# Altium PCB ADS1256.PcbDoc (part 1 of 2)
Units mil, origin at the board's own origin, x right, y up, seen from the top; angles counter-clockwise.
Board outline 3405 x 2767.84 mil, 2 copper layers (Top Layer, Bottom Layer); 175 components, 91 nets, 502 pads, 2562 vias.
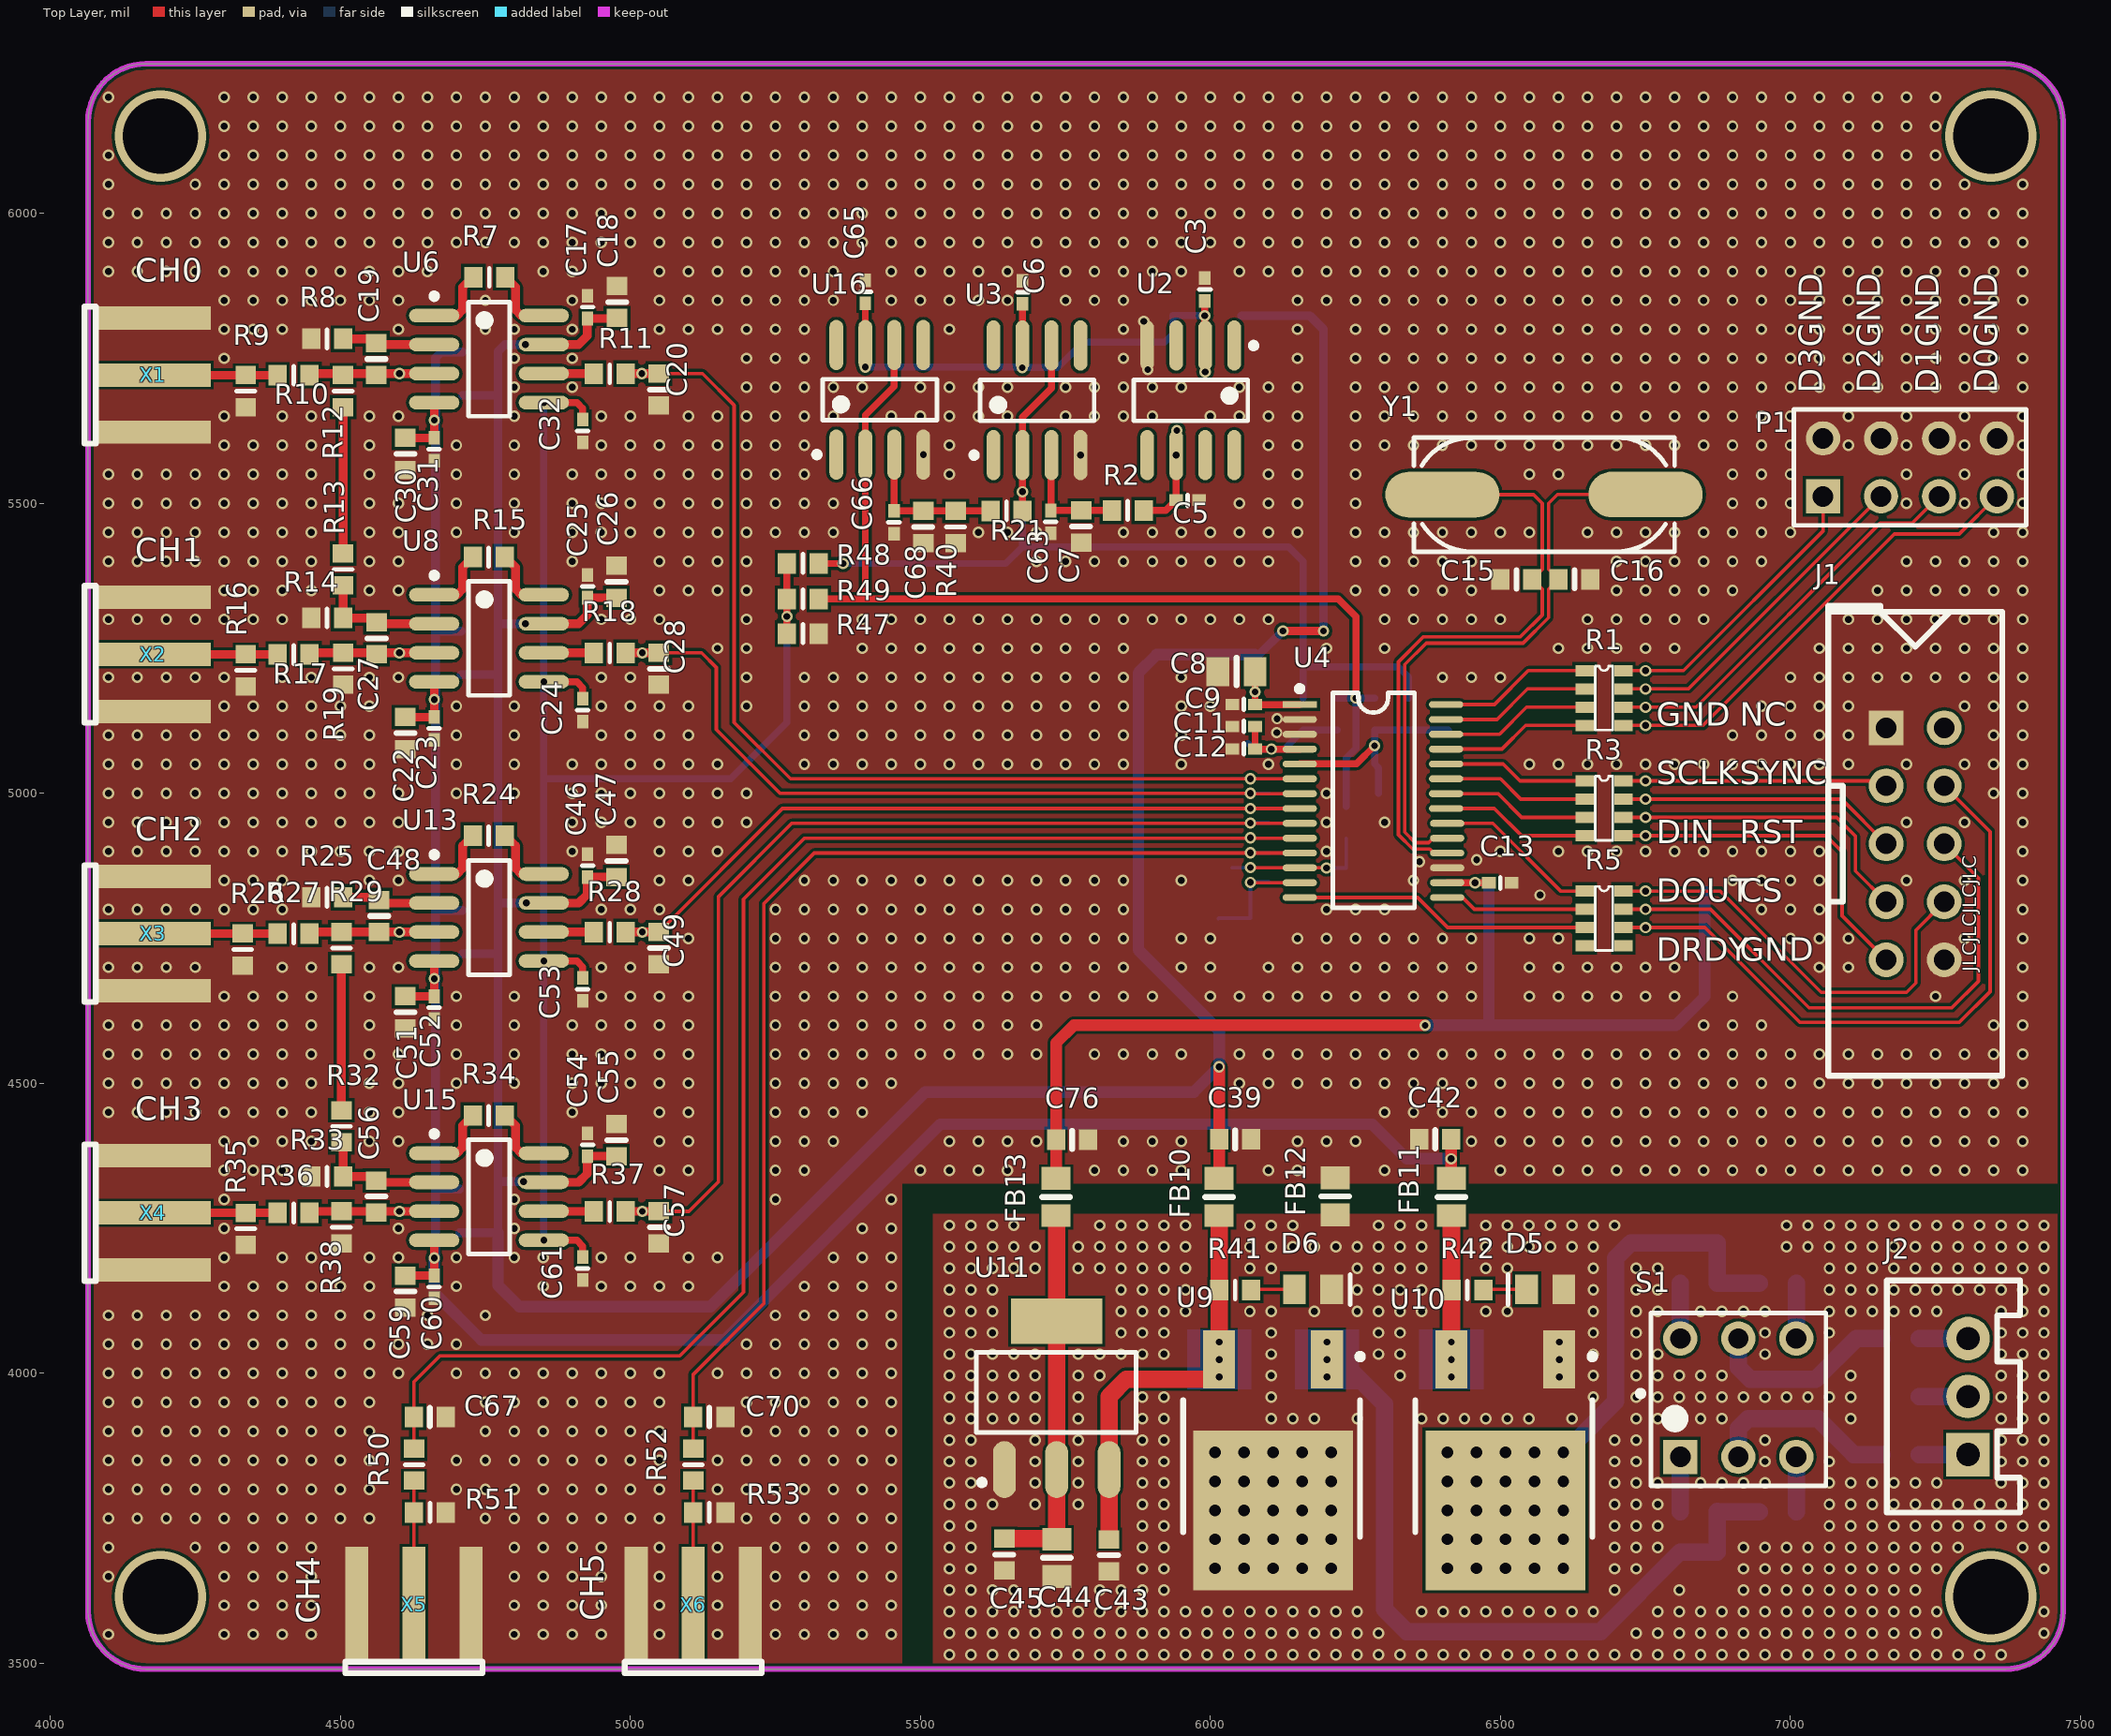
[diagram p0: Top Layer view]
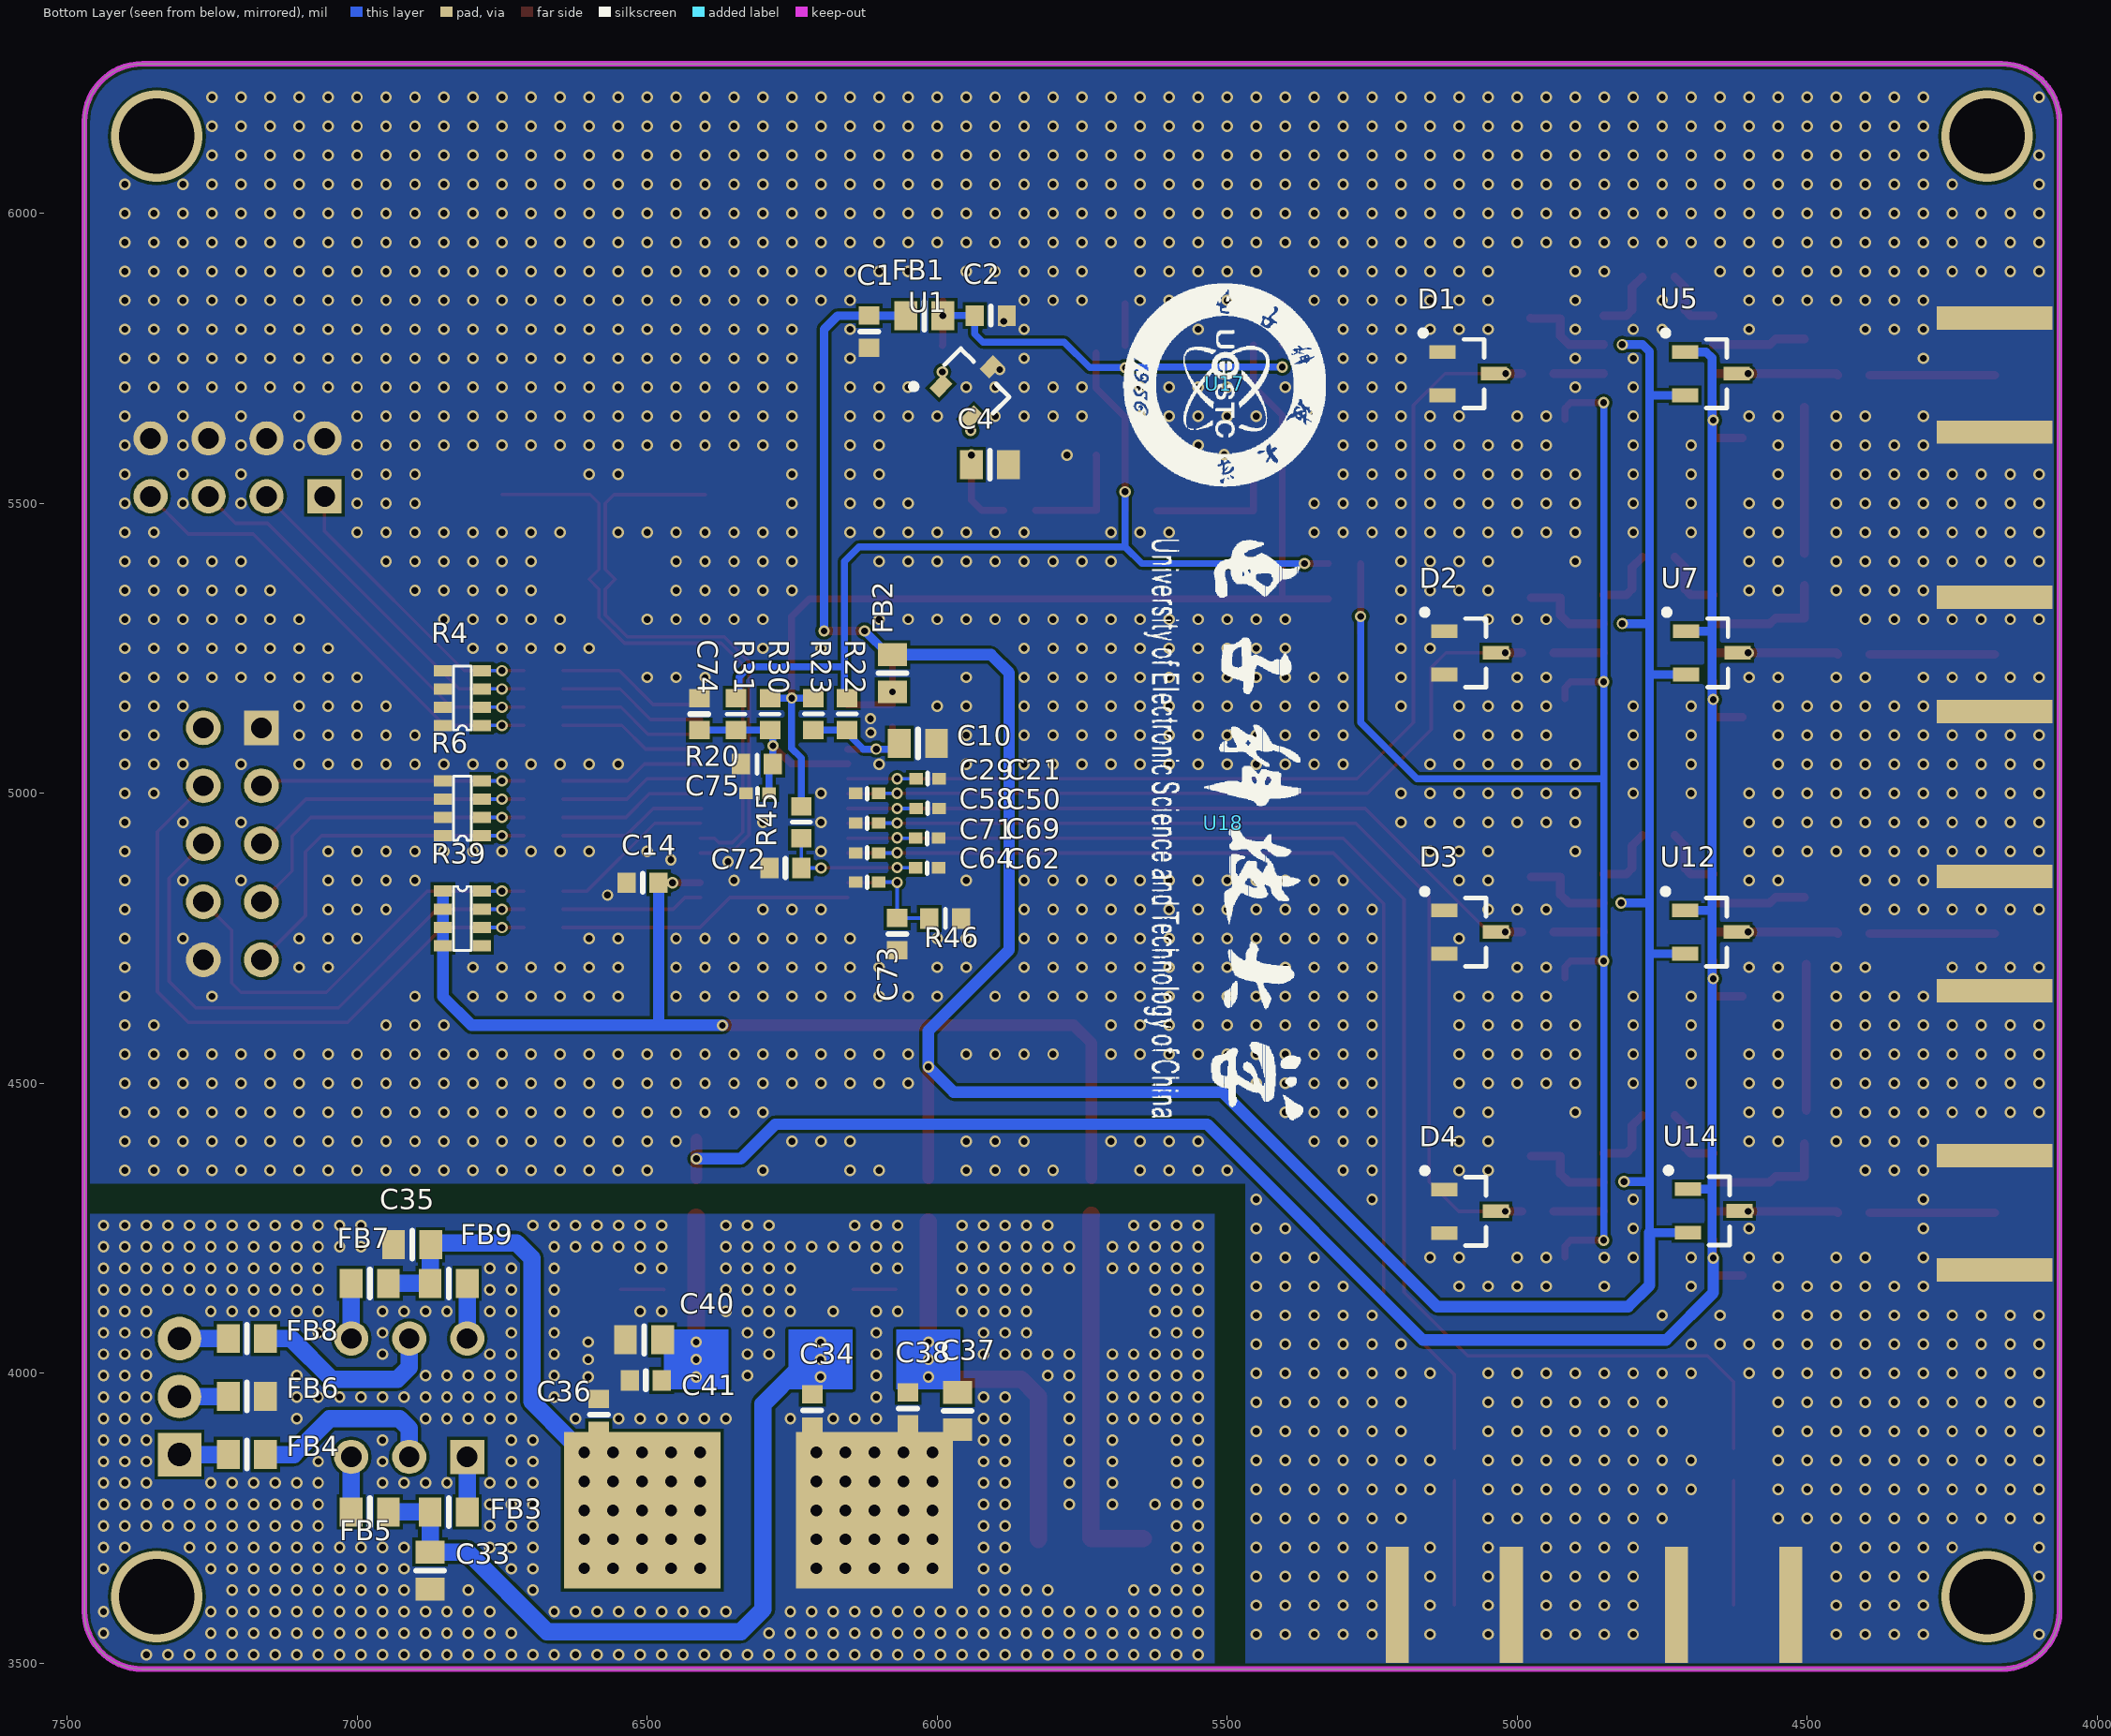
[diagram p1: Bottom Layer view, seen from below]

## Layer stack, top to bottom
Top Solder: solder mask 0.4, Solder Resist, Dk 3.5
Top Layer: signal copper 1.4
Dielectric 1: dielectric 12.6, FR-4, Dk 4.8
Bottom Layer: signal copper 1.4
Bottom Solder: solder mask 0.4, Solder Resist, Dk 3.5

## Board outline
4065,3590 ccw(c4165,3590) 4165,3490 7370,3490 ccw(c7370,3590) 7470,3590 7470,6157.84 ccw(c7370,6157.84) 7370,6257.84 4165,6257.84 ccw(c4165,6157.84) 4065,6157.84

## Design rules (kind name [scope] priority, off if disabled: settings)
Clearance [All] p1: gap=5 ignorepadtopadclearanceinfootprint=TRUE
ComponentClearance [All] p1: gap=0 collisioncheckmode=3 verticalgap=0 showdistances=FALSE
HoleSize [All] p1: absolutevalues=TRUE maxlimit=129.92 minlimit=3.94 maxpercent=80.000 minpercent=20.000
MinimumSolderMaskSliver [All] p1: minsoldermaskwidth=0
PolygonConnect [All] p1: connectstyle=Direct reliefconductorwidth=10 reliefentries=4 polygonreliefangle="90 Angle" airgapwidth=10
RoutingVias [All] p1: holewidth=11.81 width=19.68 viastyle="Through Hole" minholewidth=11.81 minwidth=19.68 maxholewidth=129.92 maxwidth=157.48
SilkToSilkClearance [All] p1: silktosilkclearance=0
SilkToSolderMaskClearance [IsPad] p1: minsilkscreentomaskgap=0 clearancetoexposedcopper=TRUE
SolderMaskExpansion [All] p1: expansion=4
Width [All] p1: maxlimit=100 minlimit=5 preferedwidth=5 minimp=50.000000 maximp=50.000000 favimp=50.000000
25 further rules are at their usual default settings.

## Classes and differential pairs
component class POWER: C33 C34 C35 C36 C37 C38 C39 C40 C41 C42 C43 C44 C45 C76 D5 D6 FB3 FB4 FB5 FB6 FB7 FB8 FB9 FB10 FB11 FB12 FB13 J2 R41 R42 S1 U9 U10 U11
component class Analog: C17 C18 C19 C20 C21 C22 C23 C24 C25 C26 C27 C28 C29 C30 C31 C32 C46 C47 C48 C49 C50 C51 C52 C53 C54 C55 C56 C57 C58 C59 C60 C61 C62 C64 C67 C69 C70 C71 C72 C73 C74 C75 D1 D2 D3 D4 R7 R8 R9 R10 R11 R12 R13 R14 R15 R16 R17 R18 R19 R20 R22 R23 R24 R25 R26 R27 R28 R29 R30 R31 R32 R33 R34 R35 R36 R37 R38 R45 R46 R47 R48 R49 R50 R51 R52 R53 U5 U6 U7 U8 U12 U13 U14 U15 X1 X2 X3 X4 X5 X6
component class ADS1256: C1 C2 C3 C4 C5 C6 C7 C8 C9 C10 C11 C12 C13 C14 C15 C16 C63 C65 C66 C68 FB1 FB2 J1 P1 R1 R2 R3 R4 R5 R6 R21 R39 R40 U1 U2 U3 U4 U16 U17 U18 Y1

## Components (designator, comment, footprint, x,y, rotation, side; value= is the part's Value field where it differs from the comment)
C1 "Cap-S" C0603-L 6117,5796 r270 bottom value=10uF
C2 "Cap-S" C0603-L 5907.44,5823.56 r180 bottom value=10uF
C3 "Cap-S" C0402-L 5990,5868.55 r270 top value=100nF
C4 "Cap-S" C0805-L 5909,5566.56 r0 bottom value=47uF
C5 "Cap-S" C0402-L 5960.69,5505.56 r180 top value=100nF
C6 "Cap-S" C0402-L 5676,5863.81 r270 top value=100nF
C7 "Cap-S" C0603-L 5777,5460 r90 top value=1uF
C8 "Cap-S" C0805-L 6045,5210 r180 top value=47uF
C9 "Cap-S" C0402-L 6057.31,5153 r0 top value=100nF
C10 "Cap-S" C0805-L 6033,5086.07 r180 bottom value=47uF
C11 "Cap-S" C0402-L 6057.27,5115 r0 top value=100nF
C12 "Cap-S" C0402-L 6057.32,5076.23 r0 top value=1nF
C13 "Cap-S" C0402-L 6499.69,4845.91 r180 top value=100nF
C14 "Cap-S" C0603-L 6507.56,4845.76 r180 bottom value=10uF
C15 "Cap-S" C0603-L 6527.44,5369 r180 top value=15pF
C16 "Cap-S" C0603-L 6627.56,5369 r0 top value=15pF
C17 "Cap-S" C0402-L 4925.87,5838.28 r270 top value=100nF
C18 "Cap-S" C0603-L 4976.89,5847.01 r270 top value=1uF
C19 "Cap-S" C0603-L 4561.89,5748.58 r270 top value=1uF
C20 "Cap-S" C0603-L 5049.09,5696.04 r270 top value=1uF
C21 "Cap-S" C0402-L 6016.31,5025.05 r180 bottom value=4.7nF
C22 "Cap-S" C0603-L 4611.89,5103.84 r270 top value=1uF
C23 "Cap-S" C0402-L 4661.89,5111.72 r90 top value=100nF
C24 "Cap-S" C0402-L 4917.89,5143.51 r90 top value=100nF
C25 "Cap-S" C0402-L 4925.87,5356.88 r270 top value=100nF
C26 "Cap-S" C0603-L 4976.04,5364.76 r270 top value=1uF
C27 "Cap-S" C0603-L 4562.43,5267.18 r270 top value=1uF
C28 "Cap-S" C0603-L 5049.09,5214.64 r270 top value=1uF
C29 "Cap-S" C0402-L 6120.69,5000 r0 bottom value=4.7nF
C30 "Cap-S" C0603-L 4611.89,5585.24 r270 top value=1uF
C31 "Cap-S" C0402-L 4661.89,5593.12 r90 top value=100nF
C32 "Cap-S" C0402-L 4917.89,5624.91 r90 top value=100nF
C33 "Cap-S" C0805-L 6874,3660 r90 bottom value=22uF
C34 "Cap-S" C0603-L 6215,3936 r90 bottom value=100nF
C35 "Cap-S" C0805-L 6905,4221.7 r180 bottom value=22uF
C36 "Cap-S" C0603-L 6583.23,3928.63 r270 bottom value=100nF
C37 "Cap-S" C0805-L 5965,3935 r90 bottom value=22uF
C38 "Cap-S" C0603-L 6050,3939.44 r90 bottom value=100nF
C39 "Cap-S" C0603-L 6042.56,4403.45 r180 top value=1uF
C40 "Cap-S" C0805-L 6505.23,4057.63 r180 bottom value=22uF
C41 "Cap-S" C0603-L 6502.23,3987.63 r180 bottom value=100nF
C42 "Cap-S" C0603-L 6387.44,4403.45 r0 top value=1uF
C43 "Cap-S" C0603-L 5825.16,3686.33 r90 top value=1uF
C44 "Cap-S" C0805-L 5735,3681.89 r90 top value=22uF
C45 "Cap-S" C0603-L 5644.84,3687.44 r90 top value=100nF
C46 "Cap-S" C0402-L 4925.87,4875.48 r270 top value=100nF
C47 "Cap-S" C0603-L 4976.04,4883.35 r270 top value=1uF
C48 "Cap-S" C0603-L 4566.89,4788.35 r270 top value=1uF
C49 "Cap-S" C0603-L 5049.09,4733.24 r270 top value=1uF
C50 "Cap-S" C0402-L 6016.31,4973.87 r180 bottom value=4.7nF
C51 "Cap-S" C0603-L 4611.89,4622.44 r270 top value=1uF
C52 "Cap-S" C0402-L 4661.89,4630.31 r90 top value=100nF
C53 "Cap-S" C0402-L 4917.89,4662.11 r90 top value=100nF
C54 "Cap-S" C0402-L 4925.87,4394.08 r270 top value=100nF
C55 "Cap-S" C0603-L 4976.04,4401.95 r270 top value=1uF
C56 "Cap-S" C0603-L 4561.89,4304.92 r270 top value=1uF
C57 "Cap-S" C0603-L 5049.09,4251.84 r270 top value=1uF
C58 "Cap-S" C0402-L 6120.69,4948.82 r0 bottom value=4.7nF
C59 "Cap-S" C0603-L 4611.89,4141.04 r270 top value=1uF
C60 "Cap-S" C0402-L 4661.89,4148.91 r90 top value=100nF
C61 "Cap-S" C0402-L 4917.89,4180.71 r90 top value=100nF
C62 "Cap-S" C0402-L 6017.31,4871.5 r0 bottom value=100nF
C63 "Cap-S" C0402-L 5725,5467.87 r90 top value=100nF
C64 "Cap-S" C0402-L 6120.69,4847 r0 bottom value=100nF
C65 "Cap-S" C0402-L 5405,5864.81 r270 top value=100nF
C66 "Cap-S" C0402-L 5454.74,5467.11 r90 top value=100nF
C67 "Cap-S" C0603-L 4654.45,3924.99 r180 top value=1uF
C68 "Cap-S" C0603-L 5505,5459.23 r90 top value=1uF
C69 "Cap-S" C0402-L 6017.31,4922.68 r0 bottom value=100nF
C70 "Cap-S" C0603-L 5135.97,3925 r180 top value=1uF
C71 "Cap-S" C0402-L 6120.69,4897.09 r180 bottom value=100nF
C72 "Cap-S" C0603-L 6261.55,4871.35 r0 bottom value=1uF
C73 "Cap-S" C0603-L 6068.95,4757.44 r270 bottom value=1uF
C74 "Cap-S" C0603-L 6410,5136.69 r90 bottom value=1uF
C75 "Cap-S" C0402-L 6309.69,5000 r0 bottom value=100nF
C76 "Cap-S" C0603-L 5761.45,4402.82 r180 top value=1uF
D1 "BAT54C" SOT-23-2 5083.97,5723.19 r180 bottom
D2 "BAT54C" SOT-23-2 5081.17,5241.79 r180 bottom
D3 "BAT54C" SOT-23-2 5081.17,4760.39 r180 bottom
D4 "BAT54C" SOT-23-2 5080.97,4278.98 r180 bottom
D5 "LED" Led-0805_L 6577.23,4144.66 r180 top
D6 "LED" Led-0805_L 6176.84,4144.66 r0 top
FB1 "600R" FB-0805 6022,5823.56 r180 bottom
FB2 "600R" FB-0805 6077,5207 r270 bottom
FB3 "600R" FB-0805 6842,3761 r0 bottom
FB4 "600R" FB-0805 7190,3860 r180 bottom
FB5 "600R" FB-0805 6978,3761 r180 bottom
FB6 "600R" FB-0805 7190,3960 r180 bottom
FB7 "600R" FB-0805 6978,4155 r180 bottom
FB8 "600R" FB-0805 7190,4060 r180 bottom
FB9 "600R" FB-0805 6842,4155 r0 bottom
FB10 "600R" FB-0805 6015,4304 r90 top
FB11 "600R" FB-0805 6415.39,4304 r90 top
FB12 "600R" FB-0805 6215,4305.19 r90 top
FB13 "600R" FB-0805 5733.89,4304 r90 top
J1 "DC-10P" DC-10P 7165,4913 r90 top
J2 "Power-3P" SIPA03 7306,3860 r90 top
P1 "Header 4X2" HDR2X4 7056,5512 r0 top
R1 "R" R0603X4 6645,5211.5 r0 top value=100
R2 "R" R0603-L 5857.56,5487.56 r0 top value=10K
R3 "R" R0603X4 6645,5021.5 r0 top value=100
R4 "R" R0603X4 6785,5117.01 r0 bottom value=10K
R5 "R" R0603X4 6645,4831.5 r0 top value=100
R6 "R" R0603X4 6785,4927.01 r0 bottom value=10K
R7 "R" R0603-L 4756.89,5890 r180 top value=NC
R8 "R" R0603-L 4477.14,5783.6 r180 top value=200
R9 "R" R0603-L 4336.89,5693.46 r90 top value=1M
R10 "R" R0603-L 4419.45,5721.02 r180 top value=200
R11 "R" R0603-L 4964.45,5723.6 r180 top value=200
R12 "R" R0603-L 4504.7,5693.46 r270 top value=NC
R13 "R" R0603-L 4504.7,5386.16 r270 top value=NC
R14 "R" R0603-L 4477.14,5302.2 r0 top value=200
R15 "R" R0603-L 4755.87,5407.2 r180 top value=NC
R16 "R" R0603-L 4336.89,5212.06 r90 top value=1M
R17 "R" R0603-L 4419.45,5239.62 r180 top value=200
R18 "R" R0603-L 4964.45,5242.2 r180 top value=200
R19 "R" R0603-L 4504.89,5214.64 r90 top value=NC
R20 "R" R0603-L 6310.56,5050.56 r0 bottom value=0
R21 "R" R0603-L 5648.44,5486.79 r0 top value=10K
R22 "R" R0603-L 6155,5136.69 r270 bottom value=20
R23 "R" R0603-L 6213.5,5136.69 r270 bottom value=20
R24 "R" R0603-L 4755.87,4927.2 r180 top value=NC
R25 "R" R0603-L 4477.14,4820.8 r180 top value=200
R26 "R" R0603-L 4331.89,4730.66 r90 top value=1M
R27 "R" R0603-L 4419.45,4758.22 r180 top value=200
R28 "R" R0603-L 4964.45,4760.8 r180 top value=200
R29 "R" R0603-L 4501.89,4733.24 r270 top value=NC
R30 "R" R0603-L 6288,5136.61 r90 bottom value=0
R31 "R" R0603-L 6346.5,5136.61 r90 bottom value=0
R32 "R" R0603-L 4501.89,4425.93 r270 top value=NC
R33 "R" R0603-L 4477.14,4339.39 r0 top value=200
R34 "R" R0603-L 4755.87,4444.39 r180 top value=NC
R35 "R" R0603-L 4336.89,4249.26 r90 top value=1M
R36 "R" R0603-L 4419.45,4276.82 r180 top value=200
R37 "R" R0603-L 4964.45,4279.39 r180 top value=200
R38 "R" R0603-L 4501.89,4251.83 r90 top value=NC
R39 "R" R0603X4 6851.93,4831.5 r180 bottom value=10K
R40 "R" R0603-L 5560.81,5459.23 r90 top value=10K
R41 "R" R0603-L 6042.56,4143.89 r180 top value=10K
R42 "R" R0603-L 6442.95,4143.89 r180 top value=10K
R45 "R" R0603-L 6233.99,4950.09 r90 bottom value=0
R46 "R" R0603-L 5985.89,4783.95 r180 bottom value=0
R47 "R" R0603-L 5297.44,5275.18 r0 top value=0
R48 "R" R0603-L 5297.44,5396.16 r0 top value=NC
R49 "R" R0603-L 5297.44,5335 r0 top value=NC
R50 "R" R0603-L 4627.01,3842.44 r270 top value=200
R51 "R" R0603-L 4654.45,3759.88 r0 top value=10K
R52 "R" R0603-L 5108.29,3842.56 r270 top value=200
R53 "R" R0603-L 5135.97,3760 r0 top value=10K
S1 "SW DPDT" SW_DPDT 6911.5,3919 r0 top
U1 "REF30xx" SOT23-3_L 5937,5705.56 r135 bottom
U2 "ADR45xx" SOIC-8_N 5966,5677.56 r270 top
U3 "OPA657" SOIC-8_N 5701,5677.56 r90 top
U4 "ADS1256" TSSOP-28 6275,4995 r0 top
U5 "BAT54S" SOT-23-3 4665.97,5723.19 r180 bottom
U6 "INA188" SOP-8 4756.38,5748.6 r0 top
U7 "BAT54S" SOT-23-3 4663.97,5241.79 r180 bottom
U8 "INA188" SOP-8 4756.38,5267.2 r0 top
U9 "78M05" TO-252 6108,3893.89 r180 top
U10 "79M05" TO-252 6508.39,3893.89 r180 top
U11 "AMS1117" SOT-223 5735,3959 r0 top
U12 "BAT54S" SOT-23-3 4665.97,4760.39 r180 bottom
U13 "INA188" SOP-8 4756.38,4785.8 r0 top
U14 "BAT54S" SOT-23-3 4660.97,4279.59 r180 bottom
U15 "INA188" SOP-8 4756.38,4304.39 r0 top
U16 "OPA657" SOIC-8_N 5430,5678.56 r90 top
U17 "UESTC  1" UESTC 5504,5706 r270 bottom
U18 "UESTC  2" "UESTC  2" 5506,4949 r270 bottom
X1 "SMA" SMA_ANGLE 4091.89,5717.6 r0 top
X2 "SMA" SMA_ANGLE 4091.89,5236.2 r0 top
X3 "SMA" SMA_ANGLE 4091.89,4754.8 r0 top
X4 "SMA" SMA_ANGLE 4091.89,4273.39 r0 top
X5 "SMA" SMA_ANGLE 4630.31,3516 r90 top
X6 "SMA" SMA_ANGLE 5111.72,3516 r90 top
Y1 "XTAL" XTAL-PB2-SMD 6575,5515 r180 top value=7.68M

## Footprints (in the part's own frame and the unit in brackets; to place one, negate y for a bottom-side part, rotate by r counter-clockwise, add the part's x,y. Pads: shape width x height; smd on the part's side, far side on the other; paste and mask are expansions set on the pad)
C0402-L [mm] "Chip Capacitor, Body 1.0x0.5mm, 高密度"
  rect 0.6x0.5 smd: 1(-0.5,0) 2(0.5,0)
  silkscreen extent 0,-0.23 0,0.25, body extent -0.5,-0.25 0.5,0.25, height 0.49
C0603-L [mm] "贴片电容0603 高密度"
  rect 0.8x0.9 smd: 1(-0.7,0) 2(0.7,0)
  silkscreen extent 0,-0.39 0,0.41, body extent -0.8,-0.4 0.8,0.41, height 0.88
C0805-L [mil] "贴片电容0805-高密度"
  rect 39.37x50 smd: 1(-32,0) 2(32,0)
  silkscreen extent 0,-24 0,24, body extent -39,-25 39,25, height 24
DC-10P [mil]
  rect 60x60 hole 35.43: 1(200,0)
  round 60 hole 35.43: 2(100,0) 3(0,0) 4(-100,0) 5(-200,0) 6(-200,-100) 7(-100,-100) 8(0,-100) 9(100,-100) 10(200,-100)
  silkscreen extent -400,-200 410,100, body extent -401,-233 401,123, height 357
FB-0805 [mil]
  rect 39.37x50 smd: 1(-32,0) 2(32,0)
  silkscreen extent 0,-24 0,24, body extent -40,-25 40,25, height 28
HDR2X4 [mm] "Connector; Header; 4x2 Position"
  rect 1.5x1.5 hole 0.9: 1(0,0)
  round 1.5 hole 0.9: 2(0,2.54) 3(2.54,0) 4(2.54,2.54) 5(5.08,0) 6(5.08,2.54) 7(7.62,0) 8(7.62,2.54)
  silkscreen extent -1.27,-1.27 8.89,3.81, body extent -1.27,-1.27 8.89,3.81, height 7.58
Led-0805_L [mm] "贴片LED0805-高密度"
  rect 1x1.3 smd: 1(-0.813,0) 2(0.813,0)
  silkscreen extent 1.63,-0.66 1.63,0.66, body extent -1.03,-0.44 1.03,0.47, height 0.85
R0603-L [mm] "贴片电阻0603 高密度"
  rect 0.8x0.9 smd: 1(-0.7,0) 2(0.7,0)
  silkscreen extent 0,-0.39 0,0.41, body extent -0.81,-0.43 0.79,0.39, height 0.53
R0603X4 [mm] "排阻 4 0603"
  rect 0.8x0.5 smd: 1(0,0) 2(0,-0.8) 3(0,-1.6) 4(0,-2.4) 5(1.7,-2.4) 6(1.7,-1.6) 7(1.7,-0.8) 8(1.7,0)
  silkscreen extent 0.46,-2.6 1.23,0.2, body extent 0.13,-2.79 1.52,0.38, height 0.8
SIPA03 [mil]
  rect 75x75 hole 40: 1(0,0)
  round 75 hole 40: 2(100,0) 3(200,0)
  silkscreen extent -100,-90 300,140, body extent -96,-99 298,137, height 276
SMA_ANGLE [mil]
  rect 200x40 smd: 1(85,3.43) 2(85,-95) 2(85,101.85)
  rect 200x40 smd far side: 2(85,-95) 2(85,101.85)
  silkscreen extent -33,-115 -13,122, body extent -393,-115 142,121, height 137
SOIC-8_N [mm] "SOIC, 8-Leads, Body 4.9x3.9mm, Pitch 1.27mm, IPC Medium Density"
  oval 2.2x0.6 smd: 1(-2.4,1.905) 2(-2.4,0.635) 3(-2.4,-0.635) 4(-2.4,-1.905) 5(2.4,-1.905) 6(2.4,-0.635) 7(2.4,0.635) 8(2.4,1.905)
  silkscreen extent -2.52,-2.5 0.9,2.88, body extent -3.03,-2.5 3.03,2.5, height 1.9
SOP-8 [mm]
  oval 2.2x0.6 smd: 1(-2.4,1.905) 2(-2.4,0.635) 3(-2.4,-0.635) 4(-2.4,-1.905) 5(2.4,-1.905) 6(2.4,-0.635) 7(2.4,0.635) 8(2.4,1.905)
  silkscreen extent -2.52,-2.5 0.9,2.88, body extent -3.03,-2.5 3.03,2.5, height 1.9
SOT23-3_L [mm] "SOT23, 3-Leads, Body 2.9x1.3mm, Pitch 0.95mm, Lead Span 2.3mm - Reverse Pinning, IPC High Density"
  rect 0.85x0.6 smd: 1(-1.075,0.95) 2(-1.075,-0.95) 3(1.075,0)
  silkscreen extent -2.06,-1.5 0.7,1.9, body extent -1.39,-1.46 1.41,1.44, height 1.2
SOT-23-2 [mm]
  rect 1.15x0.6 smd: 1(-1.13,-0.94) 1(-1.13,0.96) 2(1.12,0.01)
  silkscreen extent -2.11,-1.49 0.69,1.91, body extent -1.4,-1.45 1.4,1.45, height 1.2
SOT-23-3 [mm]
  rect 1.15x0.6 smd: 1(-1.13,0.96) 2(1.12,0.01) 3(-1.13,-0.94)
  silkscreen extent -2.11,-1.49 0.69,1.91, body extent -1.4,-1.45 1.4,1.45, height 1.2
SOT-223 [mm]
  oval 1x2.5 smd: 1(-2.29,-3.175) 2(0,-3.175) 3(2.29,-3.175)
  rect 4x2 smd: 2(0,3.325)
  silkscreen extent -3.52,-3.86 3.48,1.96, body extent -3.25,-3.2 3.25,3.76, height 1.66
SW_DPDT [mm] "自锁开关"
  rect 1.5x1.5 hole 0.9: 1(-2.578,-1.6)
  round 1.5 hole 0.9: 2(-0.038,-1.6) 3(2.502,-1.6) 4(2.502,3.581) 5(-0.038,3.581) 6(-2.578,3.581)
  silkscreen extent -4.44,-2.87 3.8,4.7, body extent -3.1,-1.93 2.7,3.87, height 10
TO-252 [mil]
  rect 55.12x100 smd: 1(-93,-130) 3(93,-130)
  rect 275.59x275.59 smd: 2(0,130)
  silkscreen extent -155,-140 155,176, body extent -129,-150 129,241, height 94
TSSOP-28 [mm]
  rect 1.5x0.3 smd: 1(-3.073,4.013)
  oval 1.5x0.3 smd: 2(-3.073,3.363) 3(-3.073,2.713) 4(-3.073,2.063) 5(-3.073,1.413) 6(-3.073,0.763) 7(-3.073,0.113) 8(-3.073,-0.537) 9(-3.073,-1.187) 10(-3.073,-1.837) 11(-3.073,-2.487) 12(-3.073,-3.137) 13(-3.073,-3.787) 14(-3.073,-4.437) 15(3.38,-4.437) 16(3.38,-3.787) 17(3.38,-3.137) 18(3.38,-2.487) 19(3.38,-1.837) 20(3.38,-1.187) 21(3.334,-0.537) 22(3.334,0.113) 23(3.334,0.763) 24(3.334,1.413) 25(3.334,2.063) 26(3.334,2.713) 27(3.334,3.363) 28(3.334,4.013)
  silkscreen extent -3.2,-4.89 1.96,4.83, body extent -3.12,-5.05 3.28,4.65, height 0.92
UESTC [mil]
  silkscreen extent -173,-174 177,174
"UESTC  2" [mil]
  silkscreen extent -488,-137 513,137
XTAL-PB2-SMD [mm]
  oval 5x2 smd: 1(-4.45,-0.004) 2(4.45,0.004)
  silkscreen extent -5.72,-2.5 5.7,2.5, body extent -6.7,-2.44 6.7,2.46, height 4

## Part data
C1 C2 C3 C4 C5 C6 C7 C8 C9 C10 C11 C12 C13 C14 C15 C16 C17 C18 C19 C20 C21 C22 C23 C24 C25 C26 C27 C28 C29 C30 C31 C32 C33 C34 C35 C36 C37 C38 C39 C40 C41 C42 C43 C44 C45 C46 C47 C48 C49 C50 C51 C52 C53 C54 C55 C56 C57 C58 C59 C60 C61 C62 C63 C64 C65 C66 C67 C68 C69 C70 C71 C72 C73 C74 C75 C76: "贴片瓷片电容"
D5 D6: "发光二极管"
FB1 FB2 FB3 FB4 FB5 FB6 FB7 FB8 FB9 FB10 FB11 FB12 FB13: library part FB
J2: "供电端子"
P1: "Header, 4-Pin, Dual row", LatestRevisionDate=17-Jul-2002, LatestRevisionNote="Re-released for DXP Platform.", Publisher="Altium Limited"
R1 R3 R4 R5 R6 R39: library part Res-4R, "排阻 4"
R2 R7 R8 R9 R10 R11 R12 R13 R14 R15 R16 R17 R18 R19 R20 R21 R22 R23 R24 R25 R26 R27 R28 R29 R30 R31 R32 R33 R34 R35 R36 R37 R38 R40 R41 R42 R45 R46 R47 R48 R49 R50 R51 R52 R53: library part Res, "贴片电阻"
S1: "自锁开关", Code_IPC=SOT26A-6, Code_JEITA=SC-74, LatestRevisionDate=29-May-2009, LatestRevisionNote="IPC-7351 Footprint Added.", PackageDescription="6-Pin SOT-23 Package 0.95 mm Pitch, 2.7 mm Lead Span", PackageReference=SOT23-6, PackageVersion=Mar-2001, Published=24-Mar-1999, Publisher="Altium Limited"
U1: library part REF3025, "采用 SOT23-3 封装的 2.5V 输出 50ppm/℃ 漂移 50uA 静态电流的（带隙）电压参考"
U2: "超低噪声、高精度  基准电压源"
U3 U16: "1.6-GHz, Low-Noise, FET-Input Operational Amplifier", Manufacturer="Texas Instruments", PartNumber=OPA656U, Supplier Part Number 1=OPA656U-ND, 2nd Harmonic(dBc)=74, 3rd Harmonic(dBc)=100, @ MHz=5, Acl, min stable gain(V/V)=1, BW @ Acl(MHz)=500, Code_JEDEC=MS-012, ComponentLink1Description="Manufacturer URL", ComponentLink1URL=http://www.ti.com/, ComponentLink2Description=Datasheet, ComponentLink2URL=http://www.ti.com/general/docs/lit/getliterature.tsp?genericPartNumber=OPA656&fileType=pdf, ComponentLink3Description="Package Specification", ComponentLink3URL=http://www.ti.com/litv/pdf/msoi002j, DatasheetVersion=SBOS196G, Diff Gain(%)=0.02, Diff Phase(deg)=0.05, Eco-Plan="Green (RoHS & no Sb/Br)", Iib(Max)(nA)=0.02, Io(Typ)(mA)=70, Iq per channel(Max)(mA)=16, Mounting Technology="Surface Mount", Number of Channels=1, PackageDescription="8-Pin Plastic Small Outline, Body 4.9 x 3.9 mm, Pitch 1.27 mm", PackageReference=D8, PackageVersion="4040047-3/M, 06/2011", Settling Time (0.1%)(Typ)(ns)=16, Slew Rate(Typ)(V/us)=290, Sub Family="High Output Current Amplifier (>=50mA), High Speed Amplifier (>=50MHz), Low Input Bias Current Amp (<=10pA)", Supplier 1=Digi-Key, Supplier 2=Farnell, Supplier 3=Newark, Supplier 4=Mouser, Supplier Part Number 2=1212322, Supplier Part Number 3=75C5137, Supplier Part Number 4=595-OPA656U, THD (Fc is 1 MHz)(Typ)(dB)=-74, Vio(Max)(mV)=0.6, Vn at Flatband(Typ)(nV/rtHz)=7, Vs(Max)(V)=12, Vs(Min)(V)=10
U6 U8 U13 U15: library part InAmp
Y1: "晶振"

## Free pads (board coordinates)
  rect 270x270 smd far side: 6(6108,3763.89) 6(6508.39,3763.89)

## Via types
v1: diameter 20, hole 12, Top Layer to Bottom Layer, tented both sides, 2428 vias
v2: diameter 19.68, hole 11.81, Top Layer to Bottom Layer, tented both sides, 80 vias
v3: diameter 25, hole 20, Top Layer to Bottom Layer, tented both sides, 50 vias
v4: diameter 157.48, hole 129.92, Top Layer to Bottom Layer, 4 vias

## Nets (pads, with @x,y where several pads share a name; then routed paths per layer and width w, separated by ;. In a path a pad name is that pad's centre, name@x,y a point inside that pad or via, vN(x,y) a via of type N, cw(c..) or ccw(c..) an arc to the next point about the centre after c; other vN are vias at no path point)
+1.25VREF: R23.1 R30.2 R45.2 R49.2 U16.2 U16.6 | length 1795.3
  Top Layer w12: R49.2@5325,5335 5405,5335 ; U16.6@5455,5773.05 5455,5701.81 5405,5651.81 U16.2@5405,5584.07 5405,5335 ; v2(6250.71,5164.25) 6250.71,5304.29 6220,5335 5405,5335
  Bottom Layer w12: R23.1@6218.5,5164.25 v2(6250.71,5164.25) ; R45.2@6233.99,4977.65 6233.99,5060.99 6250.71,5077.71 v2(6250.71,5164.25) ; R30.2@6283,5164.17 6282.92,5164.25 v2(6250.71,5164.25)
+2.5VREF: R21.2 R22.1 R31.2 R48.2 U3.2 U3.6 | length 1706.9
  Top Layer w12: R48.2@5325,5396.16 v2(5366.67,5396.16) ; R21.2@5676,5486.79 v2(5676,5520) U3.2@5676,5583.07 5676,5648.56 5726,5698.56 U3.6@5726,5759
  Bottom Layer w12: v2(5366.67,5396.16) 5647.16,5396.16 5676,5425 ; v2(5676,5520) 5676,5425 ; R22.1@6160,5164.25 6160,5220 ; R31.2@6341.5,5164.17 6341.5,5200.5 6324,5218 6162,5218 6160,5220 ; 5676,5425 6135,5425 6160,5400 6160,5220
+3.3DVDD: C13.2 C14.2 C76.2 FB13.2 R39.1 R39.2 R39.3 R39.4 U4.16 | length 1908.5
  Top Layer w12: U4.16@6408.09,4845.91 v2(6456,4845.91) C13.2@6480,4845.91
  Top Layer w20: FB13.2@5733.89,4336 C76.2@5733.89,4402.82 5733.89,4569.52 5764.37,4600 v2(6370,4600)
  Bottom Layer w12: v2(6456,4845.91) 6456.15,4845.76 C14.2@6480,4845.76
  Bottom Layer w20: v2(6370,4600) 6480,4600 ; C14.2@6480,4845.76 6480,4600 ; R39.1@6851.93,4831.5 R39.2@6851.93,4800 R39.3@6851.93,4768.5 R39.4@6851.93,4737.01 6851.93,4649.43 6802.5,4600 6480,4600
+5.0AVDD: C1.1 C17.2 C18.2 C25.2 C26.2 C39.2 C46.2 C47.2 C54.2 C55.2 FB1.1 FB2.1 FB10.2 U5.3 U6.7 U7.3 U8.7 U12.3 U13.7 U14.3 U15.7 | length 6078.2
  Top Layer w15: U15.7@4850.87,4329.39 4910.87,4329.39 4925.87,4344.39 C54.2@4925.87,4374.39 C55.2@4976.04,4374.39 ; U13.7@4850.87,4810.8 4910.87,4810.8 4925.87,4825.8 C46.2@4925.87,4855.8 C47.2@4976.04,4855.8 ; U8.7@4850.87,5292.2 4910.87,5292.2 4925.87,5307.2 C25.2@4925.87,5337.2 C26.2@4976.04,5337.2 ; U6.7@4850.87,5773.6 4910.87,5773.6 4925.87,5788.6 C17.2@4925.87,5818.6 4976.04,5818.6 C18.2@4976.89,5819.45 ; v2(6125,5280) v2(6195,5280)
  Top Layer w20: FB10.2@6015,4336 C39.2@6015,4403.45 v2(6015,4528.45)
  Bottom Layer w15: U14.3@4705.47,4242.6 4771.89,4242.6 4771.89,4330.43 ; U7.3@4708.47,5204.8 4771.89,5204.8 ; U12.3@4710.47,4723.39 4771.89,4723.39 ; U5.3@4710.47,5686.2 4771.89,5686.2 ; 4773.89,4811.22 v2(4820.89,4811.22) ; v2(4815.89,4330.43) 4771.89,4330.43 ; v2(4818.89,5292.62) 4771.89,5292.62 ; v2(4818.89,5773.6) 4783.89,5773.6 4771.89,5761.6 4771.89,5686.2 ; FB1.1@6054,5823.56 C1.1@6117,5823.56 6171.44,5823.56 6195,5800 v2(6195,5280) ; FB2.1@6077,5239 6084,5239 v2(6125,5280) ; 4771.89,4330.43 4771.89,4723.39 ; 4771.89,4723.39 4771.89,5204.8 ; 4771.89,5204.8 4771.89,5292.62 ; 4771.89,5292.62 4771.89,5686.2
  Bottom Layer w20: 4771.89,4242.6 4771.89,4151.7 4808.59,4115 5138.18,4115 5508.18,4485 5971.55,4485 v2(6015,4528.45) 6015,4590.68 5875.75,4729.92 5875.75,5207.75 5907,5239 FB2.1@6077,5239
+5.0BUF: C37.2 C38.2 C43.2 FB10.1 R41.2 U9.3 U11.3 | length 695.5
  Top Layer w6: v2(6015,4023.89) v2(6015,4053.89)
  Top Layer w30: C43.2@5825.16,3713.89 U11.3@5825.16,3834 5825.16,3960.16 5855,3990 U9.3@5995.15,3990 ; v2(6015,4023.89) FB10.1@6015,4260.81
  other v2: 6015,3993.89
-5.0AVDD: C22.1 C23.2 C30.1 C31.2 C42.2 C51.1 C52.2 C59.1 C60.2 FB11.2 U5.1 U6.4 U7.1 U8.4 U12.1 U13.4 U14.1 U15.4 | length 4272.9
  Top Layer w15: C59.1@4611.89,4168.6 C60.2@4661.89,4168.6 v2(4661.89,4199) U15.4@4661.89,4229.39 ; C51.1@4611.89,4650 C52.2@4661.89,4650 v2(4661.89,4680.4) U13.4@4661.89,4710.8 ; C22.1@4611.89,5131.4 C23.2@4661.89,5131.4 v2(4661.89,5161.8) U8.4@4661.89,5192.2 ; C30.1@4611.89,5612.8 C31.2@4661.89,5612.8 v2(4661.89,5643.2) U6.4@4661.89,5673.6
  Top Layer w20: C42.2@6415,4403.45 v2(6415,4369.92) 6415,4336.39 FB11.2@6415.39,4336
  Bottom Layer w15: v2(4661.89,4199) 4663.89,4201 4663.89,4317.4 ; U14.1@4705.47,4317.4 4663.89,4317.4 ; U7.1@4708.47,5279.6 4664.89,5279.6 4663.89,5278.6 ; U12.1@4710.47,4798.2 4663.89,4798.2 ; U5.1@4710.47,5761 4674.29,5761 4663.89,5750.6 4663.89,5278.6 ; 4663.89,4317.4 4663.89,4798.2 ; 4663.89,4798.2 4663.89,5278.6
  Bottom Layer w20: v2(4661.89,4199) 4661.89,4138.92 4743.18,4057.63 5162.63,4057.63 5534.51,4429.51 6278.98,4429.51 6338.57,4369.92 v2(6415,4369.92)
-5.0BUF: C40.2 C41.2 FB11.1 R42.2 U10.3 | length 356.9
  Top Layer w6: v2(6415.39,4023.89) v2(6415.39,4053.89) R42.2@6415.39,4143.89
  Top Layer w30: v2(6415.39,4023.89) R42.2@6415.39,4135.89 ; R42.2@6415.39,4143.89 FB11.1@6415.39,4268.81
  other v2: 6415.39,3993.89
AIN0: C20.1 C21.1 D1.2 R11.1 U4.6 | length 1804.8
  Top Layer w6: C20.1@5049.09,5723.6 5124.4,5723.6 5179,5669 5179,5122 5276,5025 v2(6069,5025) v2(6069,5025) U4.6@6154,5025.05
  Top Layer w15: R11.1@4992.01,5723.6 v2(5019.89,5723.6) C20.1@5049.09,5723.6
  Bottom Layer w6: C21.1@6036,5025.05 v2(6069,5025) v2(6069,5025)
AIN1: C28.1 C29.1 D2.2 R18.1 U4.7 | length 1357.2
  Top Layer w6: C28.1@5049.09,5242.2 5122.8,5242.2 5148,5217 5148,5110 5258,5000 v2(6069,5000) 6069.54,4999.46 U4.7@6154,4999.46
  Top Layer w15: R18.1@4992.01,5242.2 v2(5020.55,5242.2) C28.1@5049.09,5242.2
  Bottom Layer w6: v2(6069,5000) C29.1@6101,5000
AIN2: C49.1 C50.1 D3.2 R28.1 U4.8 | length 1283.1
  Top Layer w6: C49.1@5049.09,4760.8 5262.12,4973.82 v2(6069,4973.82) ; v2@6069.05,4973.87 U4.8@6154,4973.87
  Top Layer w15: R28.1@4992.01,4760.8 v2(5020.55,4760.8) C49.1@5049.09,4760.8
  Bottom Layer w6: C50.1@6036,4973.87 v2@6068.95,4973.87
AIN3: C57.1 C58.1 D4.2 R37.1 U4.9 | length 1758.9
  Top Layer w6: C57.1@5049.09,4279.39 5100.87,4279.39 5152,4330.53 5152,4822 5278.28,4948.28 U4.9@6154,4948.28
  Top Layer w15: R37.1@4992.01,4279.39 v2(5020.55,4279.39) C57.1@5049.09,4279.39
  Bottom Layer w6: v2(6069,4948.82) C58.1@6101,4948.82
AIN4: C67.2 C69.2 R50.1 U4.10 | length 2459.7
  Top Layer w6: R50.1@4627.01,3869.99 4627.01,3924.87 C67.2@4626.89,3924.99 4626.89,3985.3 4671.59,4030 5085,4030 5195,4140 5195,4817.66 5300.03,4922.68 U4.10@6154,4922.68
  Bottom Layer w6: C69.2@6037,4922.68 v2@6069,4922.68
  other v2: 6069,4923.23
AIN5: C70.2 C71.2 R52.1 U4.11 | length 1982.3
  Top Layer w6: R52.1@5108.41,3870.12 C70.2@5108.41,3925 5108.41,3998.41 5230,4120 5230,4809.97 5317.12,4897.09 U4.11@6154,4897.09
  Bottom Layer w6: v2@6069,4897.09 C71.2@6101,4897.09
  other v2: 6069,4897.64
AIN6: C62.2 C72.1 R45.1 U4.12 | length 248.3
  Top Layer w6: v2@6069,4871.5 U4.12@6154,4871.5 6199.8,4871.5 v2(6200,4871.3)
  Bottom Layer w6: C62.2@6037,4871.5 v2@6069,4871.5 ; v2(6200,4871.3) 6200.05,4871.35 C72.1@6233.99,4871.35 R45.1@6233.99,4922.53
  other v2: 6069,4872.05
AIN7: C64.1 C73.1 R46.1 U4.13 | length 239.5
  Top Layer w6: v2@6069,4845.91 U4.13@6154,4845.91
  Bottom Layer w6: R46.1@6013.45,4783.95 6014.5,4785 C73.1@6068.95,4785 C73.1@6068.95,4785 v2(6069,4846.46) v2@6063.91,4846.46 ; v2@6069,4847 C64.1@6101,4847
AINCOM: C74.1 C75.1 R20.1 R30.1 R31.1 U4.5 | length 375.9
  Top Layer w12: U4.5@6154,5050.64 6251.56,5050.64 v2(6282.92,5082)
  Bottom Layer w12: C75.1@6290,5000 6290,5043.56 R20.1@6283,5050.56 6283,5109.06 R30.1@6288,5109.06 R31.1@6341.5,5109.06 ; R31.1@6346.5,5109.06 6346.57,5109.13 C74.1@6410,5109.13
BIAS: C24.2 C32.2 C53.2 C61.2 R47.1 R48.1 R49.1 U6.5 U8.5 U13.5 U15.5 | length 2568
  Top Layer w12: v2(4850.87,4229.39) 4907.89,4229.39 4917.89,4219.39 C61.2@4917.89,4200.39 ; v2(4850.87,4710.8) 4907.89,4710.8 4917.89,4700.8 C53.2@4917.89,4681.8 ; v2(4850.87,5192.2) 4907.89,5192.2 4917.89,5182.2 C24.2@4917.89,5163.2 ; v2(4850.87,5673.6) 4907.89,5673.6 4917.89,5663.6 C32.2@4917.89,5644.6 ; R47.1@5269.88,5275.18 R49.1@5269.88,5335 R48.1@5269.88,5396.16
  Bottom Layer w12: v2(4850.87,4229.39) v2(4850.87,4710.8) 4850.87,5025 ; v2(4850.87,5673.6) v2(4850.87,5192.2) 4850.87,5025 ; v2(5269.88,5305.09) 5269.88,5122.21 5172.67,5025 4850.87,5025
CS: J1.7 R5.8 R39.8 | length 778.3
  Top Layer w6: R5.8@6711.93,4831.5 6878.5,4831.5 7053,4657 7200,4657 7216,4673 7216,4764 J1.7@7265,4813
  Bottom Layer w6: v2(6750,4831.5) R39.8@6785,4831.5
D0: P1.7 R1.5 R4.1 | length 842.7
  Top Layer w6: R1.5@6711.93,5117.01 v2(6750,5117.01) 6849.01,5117.01 7179,5447 7291,5447 P1.7@7356,5512
  Bottom Layer w6: v2(6750,5117.01) R4.1@6785,5117.01
D1: P1.5 R1.6 R4.2 | length 729.6
  Top Layer w6: R1.6@6711.93,5148.5 v2(6750,5148.5) 6837.5,5148.5 7154.5,5465.5 7209.5,5465.5 P1.5@7256,5512
  Bottom Layer w6: v2(6750,5148.5) R4.2@6785,5148.5
D2: P1.3 R1.7 R4.3 | length 616.6
  Top Layer w6: R1.7@6711.93,5180 v2(6750,5180) 6824,5180 P1.3@7156,5512
  Bottom Layer w6: v2(6750,5180) R4.3@6785,5180
D3: P1.1 R1.8 R4.4 | length 538.7
  Top Layer w6: R1.8@6711.93,5211.5 v2(6750,5211.5) 6815.5,5211.5 7056,5452 P1.1@7056,5512
  Bottom Layer w6: v2(6750,5211.5) R4.4@6785,5211.5
DIN: J1.3 R3.7 R6.3 | length 520
  Top Layer w6: R3.7@6711.93,4990 7088,4990 J1.3@7165,4913
  Bottom Layer w6: v2(6750,4990) R6.3@6785,4990
DOUT: J1.4 R3.6 R6.2 | length 583.5
  Top Layer w6: R3.6@6711.93,4958.5 7079.5,4958.5 7112,4926 7112,4866 J1.4@7165,4813
  Bottom Layer w6: v2(6750,4958.5) R6.2@6785,4958.5
DRDY: J1.5 R3.5 R6.1 | length 641.2
  Top Layer w6: R3.5@6711.93,4927.01 7060.99,4927.01 7089,4899 7089,4789 J1.5@7165,4713
  Bottom Layer w6: v2(6750,4927.01) R6.1@6785,4927.01